# Altium PCB F405.PcbDoc (part 2 of 2) (continued)
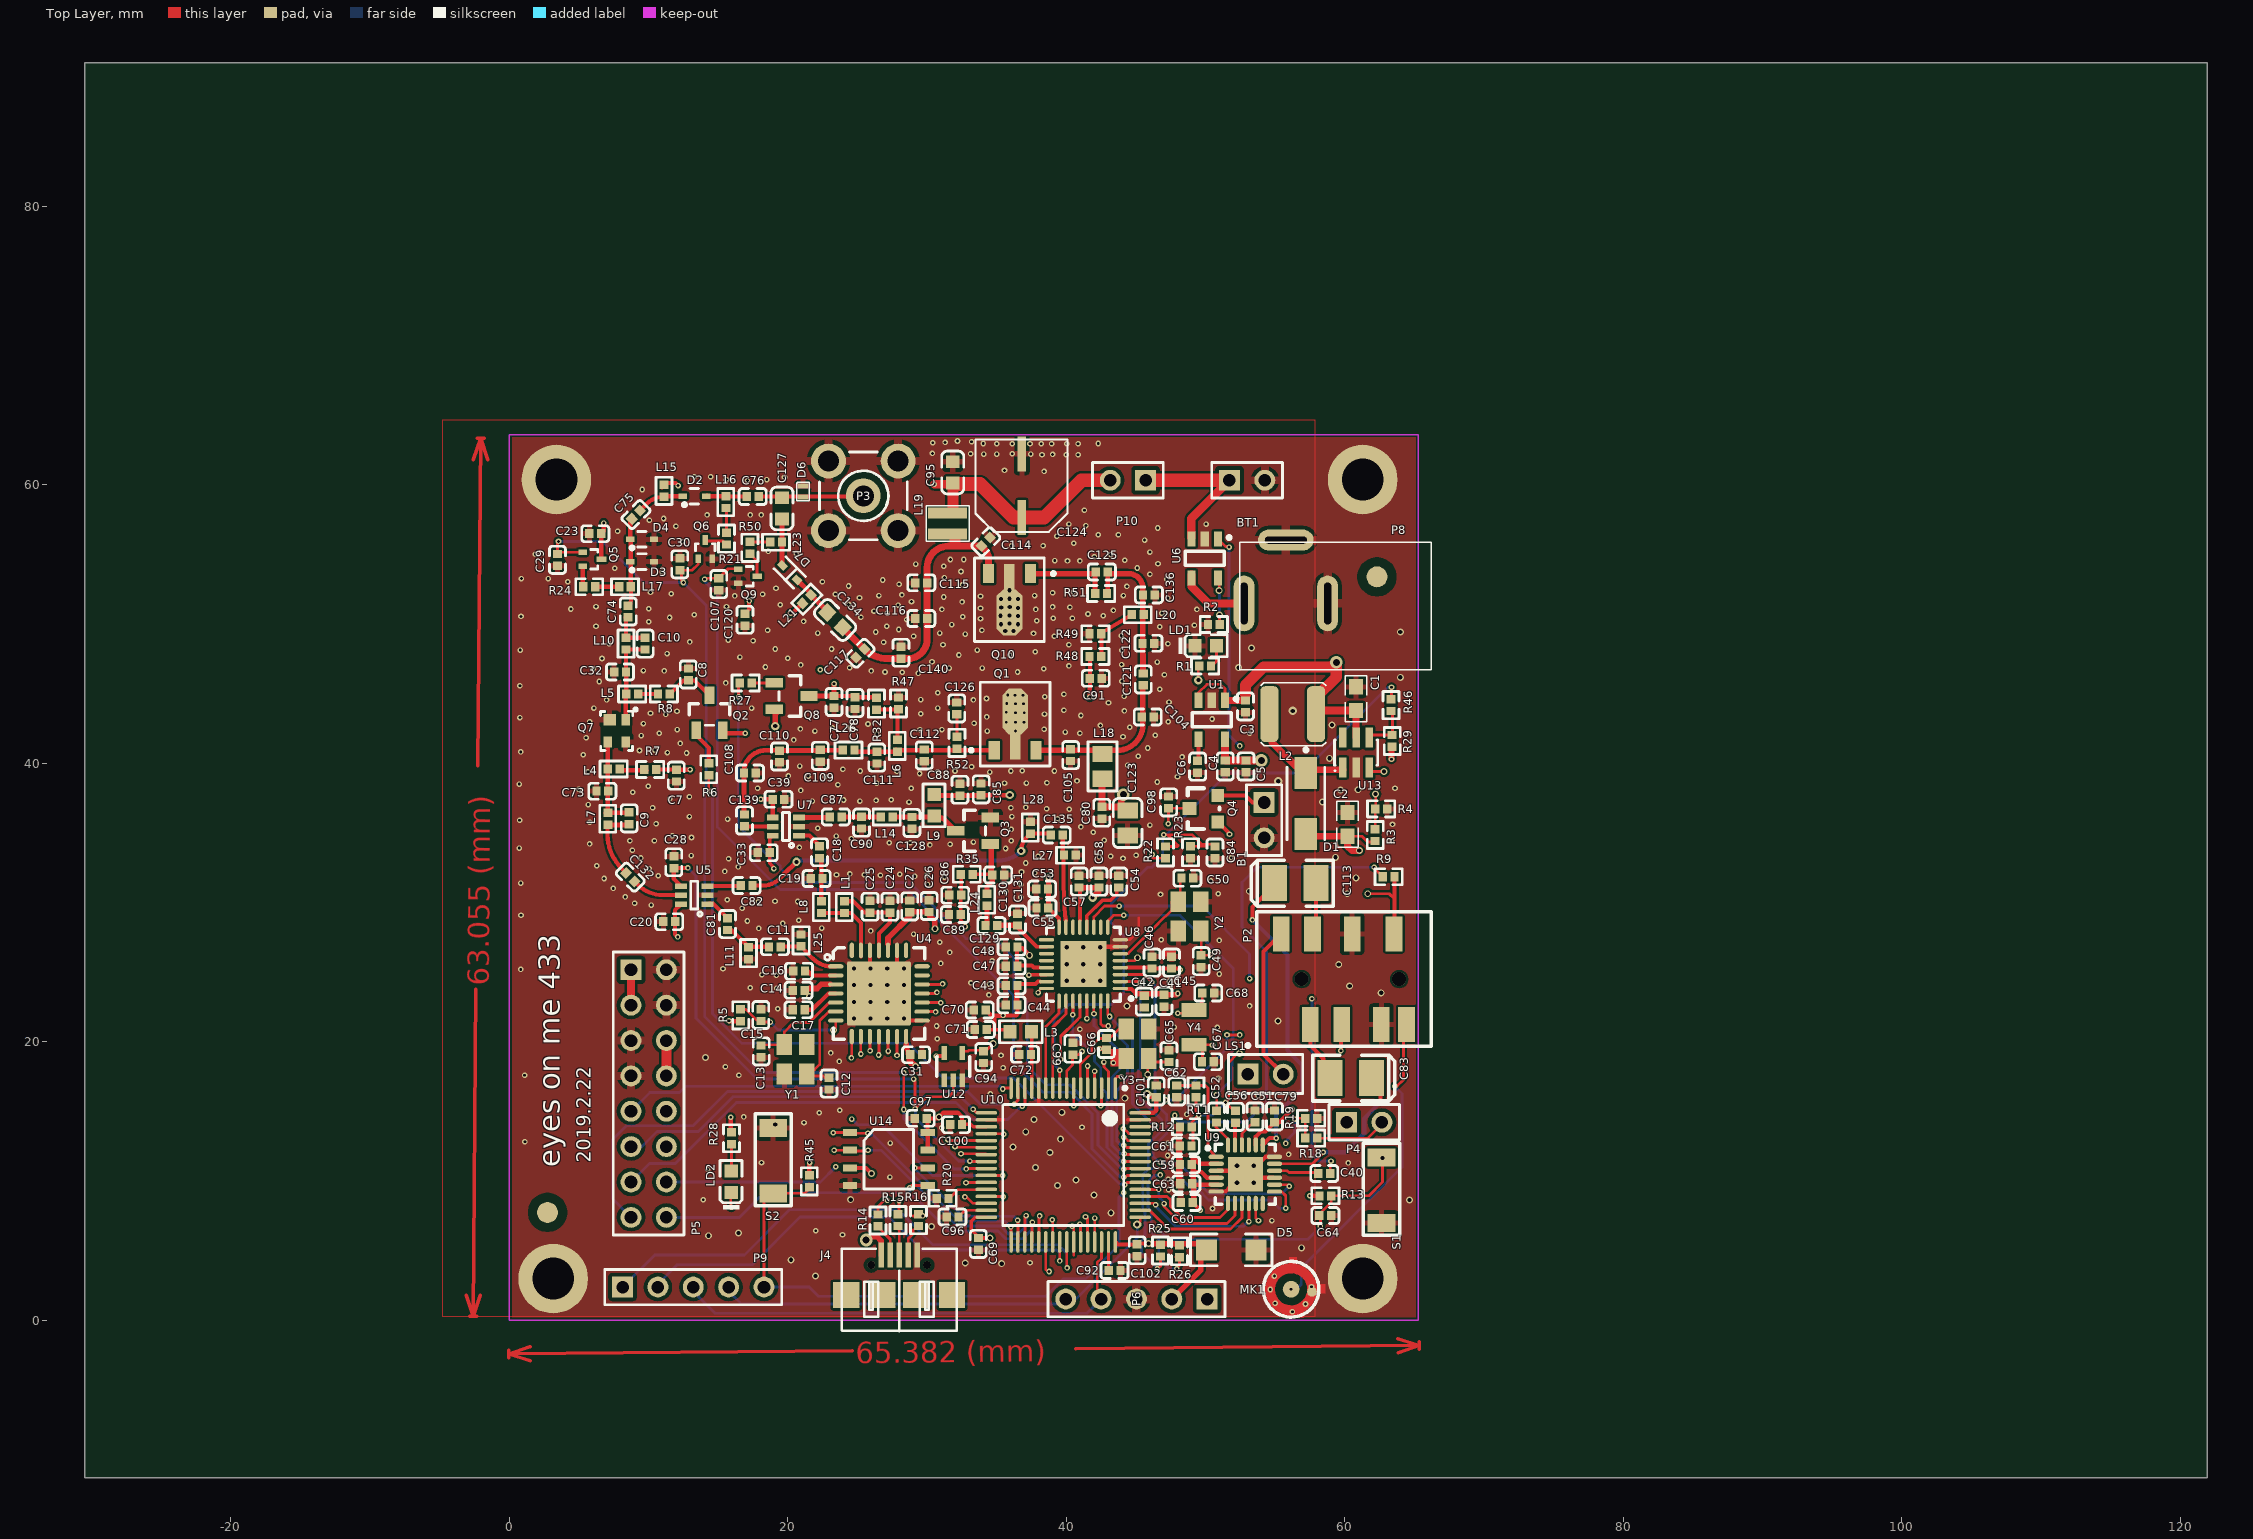
[diagram p0: Top Layer view]
## Nets (pads, with @x,y where several pads share a name; then routed paths per layer and width w, separated by ;. In a path a pad name is that pad's centre, name@x,y a point inside that pad or via, vN(x,y) a via of type N, cw(c..) or ccw(c..) an arc to the next point about the centre after c; other vN are vias at no path point) (continued)
  MidLayer2 w0.3: v1(23.324,45.713) 23.574,45.713 26.256,43.032 26.256,42.782 26.424,42.613 26.598,42.613 26.891,42.32 26.891,42.147 28.346,40.691 37.516,40.691 41.58,44.755 v1(41.681,44.755)
NetC81_2: C81.2 U5.1 | length 1.8
  Top Layer w0.3: U5.1@14.351,29.932 14.62,29.932 C81.2@15.672,28.88
NetC82_1: C82.1 C135.1 L28.2 | length 23.1
  Top Layer w0.3: C82.1@17.462,31.217 18.192,31.217 ccw(c18.192,32.981) 19.439,31.733 ; 19.44,31.733 19.723,32.017 ; v3(36.754,33.706) cw(c38.164,33.706) 37.167,34.703 L28.2@37.414,34.95 38.642,34.95 cw(c38.642,34.604) C135.1@38.887,34.849
  Top Layer w0.34: 19.723,32.017 v3(20.625,32.918)
  Bottom Layer w0.3: v3(20.625,32.918) 20.726,33.02 35.154,33.02 ccw(c35.154,35.228) 36.715,33.667 v3(36.754,33.706)
NetC82_2: C82.2 U5.3 | length 2.4
  Top Layer w0.3: U5.3@14.234,31.181 C82.2@16.612,31.181
NetC83_1: C83.1 U9.17 | length 11.2
  Top Layer w0.2: U9.17@54.832,11.24 U9.17@54.952,11.24 57.671,11.24 58.445,12.014 v1(58.445,12.065)
  Top Layer w0.3: C83.1@62.535,16.612 62.56,16.586 v1(62.56,15.723)
  Bottom Layer w0.3: v1(58.445,12.065) 60.046,12.065 61.392,13.411 61.392,14.503 62.56,15.672 v1(62.56,15.723)
NetC86_2: C86.2 C89.2 R35.1 U8.22 | length 12.6
  Top Layer w0.25: R35.1@32.424,32.029 32.448,32.006 C86.2@32.448,30.531 32.422,30.505 C89.2@32.422,29.134 32.422,28.741 32.741,28.423 v1(32.741,28.27) ; v1@37.25,24.828 U8.22@38.574,24.828
  MidLayer2 w0.25: v1@32.791,28.27 v1(32.741,28.27) 32.741,26.187 34.138,24.79 v1(37.313,24.79)
  Bottom Layer w0.25: v1(32.741,28.27) v1@32.791,28.27
NetC87_1: C87.1 U7.3 | length 2.3
  Top Layer w0.34: U7.3@20.813,36.108 C87.1@23.041,36.108
  Top Layer w0.35: C87.1@23.041,36.108 C87.1@23.077,36.144
NetC87_2: C87.2 C90.2 L14.2 | length 2.7
  Top Layer w0.34: C87.2@23.927,36.144 L14.2@26.677,36.144
NetC92_2: C92.2 U10.47 | length 2.2
  Top Layer w0.2: U10.47@43.026,5.626 43.026,3.565 C92.2@43.112,3.48
NetC96_2: C96.2 U10.31 | length 2.2
  Top Layer w0.2: C96.2@32.251,7.417 32.735,7.901 U10.31@34.251,7.901
NetC104_2: C104.2 C105.2 C121.1 L18.1 Q1.3 | length 12
  Top Layer w0.4: Q1.3@37.771,40.938 Q1.3@37.822,40.938 L18.1@42.324,40.938 ; L18.1@42.596,40.666 L18.1@42.324,40.938 ; C121.1@45.491,45.6 45.491,42.765 cw(c43.665,42.765) 43.665,40.938 L18.1@42.324,40.938
  Top Layer w0.5: Q1.3@37.771,40.938 cw(c37.803,40.938) Q1.3@37.803,40.97
NetC108_2: C108.2 C109.2 C110.2 C139.1 L26.1 | length 11
  Top Layer w0.3: C139.1@16.854,36.359 C139.1@16.891,36.322 ; C109.2@22.316,40.913 ccw(c22.316,40.999) C109.2@22.377,40.938 ; L26.1@23.856,40.938 ccw(c23.856,41.048) L26.1@23.934,40.97
  Top Layer w0.34: C108.2@16.84,39.345 cw(c18.434,39.345) 18.434,40.938 19.343,40.938 cw(c19.343,40.85) C110.2@19.406,40.913 C109.2@22.316,40.913 ; C139.1@16.854,36.359 C108.2@16.854,39.294 ; C109.2@22.377,40.938 L26.1@23.856,40.938
NetC111_2: C111.2 C112.2 L6.1 L26.2 Q1.1 R52.2 | length 10.3
  Top Layer w0.34: L26.2@24.784,40.945 ccw(c25.045,41.206) 25.045,40.836 C111.2@26.391,40.836 26.396,40.831 L6.1@27.864,40.831 ; L6.1@27.757,40.938 Q1.1@34.771,40.938
  Top Layer w0.37: L6.1@27.757,40.938 L6.1@27.864,40.831
NetC113_1: C113.1 U9.19 | length 22.4
  Top Layer w0.3: v1(53.365,28.753) 53.365,29.677 54.939,31.25 C113.1@54.939,31.394 ; U9.19@54.107,12.585 54.603,13.081 v1(55.067,13.081)
  Bottom Layer w0.3: v1(53.365,28.753) 55.871,26.247 55.871,19.389 56.921,18.339 56.921,16.586 55.067,14.732 v1(55.067,13.081)
NetC114_2: C114.2 C115.2 C116.2 C117.2 C134.1 C140.2 L19.1 Q10.3 | length 20.3
  Top Layer w0.5: C134.1@23.947,49.706 25.386,48.267 ccw(c27.182,50.063) 27.182,47.523 28.639,47.523 ccw(c28.639,48.882) 29.997,48.882 29.997,54.049 cw(c31.549,54.049) 31.549,55.601 33.503,55.601 cw(c33.503,54.689) 34.414,54.689 Q10.3@34.414,53.619 ; L19.1@31.521,56.533 L19.1@31.648,56.406
  Top Layer w0.8: 32.004,55.75 L19.1@32.004,56.21
NetC121_2: C121.2 C122.2 C125.2 C136.2 L20.1 R51.2 | length 11.7
  Top Layer w0.2: R51.2@42.919,52.197 R51.2@42.97,52.248
  Top Layer w0.35: R51.2@42.97,52.248 C125.2@42.97,53.746
  Top Layer w0.4: C125.2@42.97,53.746 ccw(c43.097,53.746) 43.097,53.619 44.457,53.619 cw(c44.457,52.585) 45.491,52.585 45.491,47.059 cw(c45.466,47.059) 45.466,47.034 ; 45.505,47.803 45.505,46.468 C121.2@45.523,46.45
NetC125_1: C125.1 Q10.1 R51.1 | length 6.3
  Top Layer w0.2: C125.1@42.062,53.804 C125.1@42.12,53.746
  Top Layer w0.35: R51.1@42.069,52.197 C125.1@42.069,53.696
  Top Layer w0.4: Q10.1@37.414,53.619 41.993,53.619 42.069,53.696 C125.1@42.12,53.746
NetC126_2: C126.2 R52.1 | length 1.6
  Top Layer w0.2: C126.2@32.131,43.517 32.156,43.492 R52.1@32.156,41.896
NetC127_1: C127.1 D7.1 L23.2 | length 2.8
  Top Layer w0.35: D7.1@19.558,54.299 19.577,54.317 L23.2@19.577,55.88 C127.1@19.577,57.135
NetC128_2: C128.2 L9.1 L14.1 Q3.3 | length 4.9
  Top Layer w0.35: L14.1@27.527,36.144 C128.2@28.905,36.144 30.341,36.144 ccw(c30.341,36.377) L9.1@30.505,36.212 cw(c30.505,35.041) 31.334,35.869 Q3.3@32.049,35.154
NetC129_1: C129.1 L24.1 | length 1.5
  Top Layer w0.2: C129.1@34.195,28.346 C129.1@34.29,28.441
  Top Layer w0.37: C129.1@34.29,28.441 L24.1@34.29,29.776
NetC129_2: C129.2 C131.2 U8.18 | length 4.2
  Top Layer w0.2: C129.2@35.045,28.346 C129.2@35.071,28.372 ; C131.2@36.322,28.372 C131.2@36.42,28.274
  Top Layer w0.254: 37.846,26.848 37.866,26.828 U8.18@38.574,26.828
  Top Layer w0.3: C131.2@36.5,28.353 36.5,28.194 37.846,26.848
  Top Layer w0.37: C129.2@35.071,28.372 C131.2@36.322,28.372
NetC130_2: C130.2 L24.2 Q3.1 R35.2 | length 5.1
  Top Layer w0.25: R35.2@33.274,32.029 C130.2@34.627,32.029 ; C130.2@34.61,32.046 C130.2@34.627,32.029 ; C130.2@34.678,31.979 C130.2@34.627,32.029
  Top Layer w0.37: L24.2@34.29,30.626 34.29,31.14 34.678,31.528 C130.2@34.678,31.979 ; Q3.1@34.549,34.204 cw(c34.403,34.057) 34.61,34.057 C130.2@34.61,32.046
NetC132_1: C132.1 U5.5 | length 3.6
  Top Layer w0.3: C132.1@8.987,31.526 9.238,31.275 ccw(c11.034,33.071) 11.034,30.531 U5.5@12.334,30.531
NetC134_2: C134.2 D7.2 L21.2 | length 3.3
  Top Layer w0.35: D7.2@20.658,53.179 21.602,52.236 cw(c21.457,52.091) L21.2@21.662,52.091 C134.2@22.742,51.011 ; C134.2@22.743,51.01 cw(c22.508,50.776) C134.2@22.84,50.776
NetC135_2: C135.2 L27.2 U8.15 | length 6.2
  Top Layer w0.3: C135.2@39.737,34.849 39.737,33.634 ccw(c40.067,33.634) L27.2@39.834,33.401 ccw(c39.912,33.323) 39.802,33.323 39.802,31.267 39.861,29.638 39.903,29.185 U8.15@39.96,28.728
NetC139_2: C139.2 U7.5 | length 2
  Top Layer w0.3: C139.2@17.12,35.458 U7.5@18.913,35.458
  Top Layer w0.4: C139.2@16.815,35.458 C139.2@17.069,35.458
NetD1_1: D1.1 L2.2 U13.1 | length 8
  Top Layer w0.5: L2.2@54.585,41.859 L2.2@54.585,43.536 ; 54.775,41.491 56.728,39.538 D1.1@57.201,39.538 ; D1.1@56.804,39.64 57.099,39.64 D1.1@57.201,39.538 ; U13.1@59.868,39.538 D1.1@57.201,39.538
NetJ4_2: J4.2 R14.2 | length 2.4
  Top Layer w0.2: R14.2@26.467,6.745 26.467,6.706 27.356,5.817 J4.2@27.356,4.683
NetJ4_3: J4.3 R15.2 | length 1.8
  Top Layer w0.2: R15.2@27.991,6.485 28.003,6.472 J4.3@28.003,4.683
NetJ4_4: J4.4 R16.2 | length 1.9
  Top Layer w0.2: J4.4@28.651,4.683 28.651,5.893 29.007,6.248 29.007,6.485
NetL1_2: L1.2 L8.1 U4.27 | length 5.5
  Top Layer w0.3: L8.1@22.403,29.249 L1.2@24.054,29.249 24.523,29.249 25.243,28.529 U4.27@25.243,26.57 U4.27@25.243,26.14
NetL4_2: L4.2 R7.1 | length 1.9
  Top Layer w0.35: L4.2@8.026,39.497 R7.1@9.837,39.497
  Top Layer w0.4: L4.2@7.95,39.573 L4.2@8.026,39.497
NetL5_2: L5.2 R8.1 | length 1.4
  Top Layer w0.3: L5.2@9.246,44.983 R8.1@10.675,44.983
NetL16_1: L16.1 R21.1 | length 1.6
  Top Layer w0.2: R21.1@15.596,56.559 15.596,58.122 L16.1@15.621,58.147
NetL17_1: L17.1 R24.1 | length 1.7
  Top Layer w0.3: R24.1@6.165,52.68 L17.1@7.881,52.68
NetL23_1: L23.1 R50.1 | length 1.5
  Top Layer w0.2: R50.1@17.272,55.899 18.708,55.899 L23.1@18.727,55.88
NetLD1_1: LD1.A R1.1 | length 1.6
  Top Layer w0.2: R1.1@50.462,46.99 50.786,47.315 LD1.A@50.786,48.463
NetLD2_1: LD2.A R28.1 | length 1.7
  Top Layer w0.2: LD2.A@15.9,10.922 15.951,10.973 R28.1@15.951,12.649
NetP4_2: P4.2 R18.1 | length 5
  Top Layer w0.2: 58.31,13.081 61.671,13.081 P4.2@62.865,14.275
NetQ2_1: Q2.1 R6.1 | length 2.8
  Top Layer w0.3: Q2.1@13.426,42.387 13.426,41.996 14.326,41.097 R6.1@14.326,39.998
NetQ5_2: Q5.2 R24.2 | length 1.5
  Top Layer w0.2: R24.2@5.269,52.726 R24.2@5.315,52.68
  Top Layer w0.3: R24.2@5.269,52.726 Q5.2@5.269,54.161
NetQ6_3: Q6.3 R21.2 | length 1.5
  Top Layer w0.2: Q6.3@14.199,55.956 15.348,55.956 R21.2@15.596,55.709
NetQ8_1: Q8.1 R27.1 | length 1.6
  Top Layer w0.2: R27.1@17.399,45.771 19.009,45.771 Q8.1@19.019,45.781
NetQ9_3: Q9.3 R50.2 | length 1.9
  Top Layer w0.2: R50.2@17.272,55.049 17.795,54.526 Q9.3@17.795,53.442 ; R50.2@17.297,55.24 R50.2@17.38,55.157
NetR2_1: R2.1 U6.5 | length 3.1
  Top Layer w0.2: U6.5@50.886,53.312 50.978,53.22 v2(50.978,52.4) ; v2(51.003,50.648) 51.003,49.98 R2.1@51.022,49.962
  Bottom Layer w0.2: v2(51.003,50.648) 51.003,52.121
NetR3_1: R3.1 R4.2 U13.3 | length 5.5
  Top Layer w0.2: U13.3@61.758,39.692 62.029,39.421 v2(62.814,39.421) ; R3.1@62.179,35.349 62.179,36.543 62.213,36.576 62.213,37.787 v2(62.205,37.795)
  MidLayer2 w0.2: v2(62.205,37.795) 62.814,38.405 v2(62.814,39.421)
NRST: C64.2 R13.1 S1.2 U10.7 | length 34.1
  Top Layer w0.2: v1(40.526,15.404) U10.7@40.526,16.676 ; v1(58.242,6.756) 58.242,7.398 58.268,7.424 C64.2@58.173,7.518 58.173,7.647 59.03,8.504 R13.1@59.03,8.941 61.722,8.941 62.713,9.931 v3(62.713,11.659) 62.663,11.659 S1.2@62.636,11.685
  MidLayer2 w0.2: v1(40.526,15.404) 40.526,12.001 44.526,8.001 45.161,8.001 v1(46.584,6.579) 46.66,6.579 46.609,6.528 v1@46.571,6.566
  Bottom Layer w0.2: v1(46.584,6.579) 47.346,5.817 57.353,5.817 58.268,6.731 v1(58.242,6.756)
OSC32_IN: C67.2 U10.3 Y4.1 | length 13.5
  Top Layer w0.2: v1(42.469,15.418) 42.526,15.475 U10.3@42.526,16.676 ; Y4.1@49.174,19.787 50.47,19.787 v1(50.495,19.761) ; C67.2@49.784,18.669 Y4.1@49.784,19.736
  MidLayer1 w0.2: v1(42.469,15.418) 43.993,16.942 47.676,16.942 v1(50.495,19.761)
OSC32_OUT: C68.2 U10.4 Y4.2 | length 11.7
  Top Layer w0.2: v1@42.016,17.882 v1(42.026,17.892) U10.4@42.026,16.676 ; v1(48.006,22.047) 48.935,22.047 Y4.2@49.174,22.287 49.765,22.878 C68.2@49.765,23.495
  MidLayer1 w0.2: v1(42.026,17.892) 43.47,17.892 47.625,22.047 v1(48.006,22.047)
OSC_IN: C65.2 U10.5 Y3.3 | length 9.2
  Top Layer w0.2: U10.5@41.526,16.676 41.526,18.265 v1(41.529,18.263) ; v2@45.847,17.805 Y3.3@45.847,18.495 ; Y3.3@45.91,18.813 46.174,18.549 C65.2@47.371,18.549
  MidLayer2 w0.2: v1(41.529,18.263) 41.529,18.339 42.24,19.05 44.552,19.05 45.872,17.729 45.847,17.704 v2(45.847,17.653)
OSC_OUT: C66.2 U10.6 Y3.1 | length 6.4
  Top Layer w0.2: U10.6@41.026,16.676 41.003,16.699 41.003,18.397 41.834,19.228 41.834,19.736 42.334,20.236 43.096,20.236 43.773,20.913 Y3.1@44.285,20.913
PA10-ID: R16.1 U10.43 | length 13.9
  Top Layer w0.2: 29.007,7.485 R16.1@29.693,7.485 ; v1(40.97,6.909) 41.026,6.853 U10.43@41.026,5.626
  MidLayer2 w0.2: v1(29.693,7.493) 36.097,7.493 36.623,8.018 39.861,8.018 v1(40.97,6.909)
PA11/USB_DM: R14.1 U10.44 | length 18.3
  Top Layer w0.2: R14.1@26.467,7.595 26.467,8.179 26.899,8.611 v1(27.153,8.611) ; v1@41.47,7.349 41.526,7.292 U10.44@41.526,5.626
  MidLayer2 w0.2: v1(27.153,8.611) 27.153,8.534 27.686,8.001 35.941,8.001 36.308,8.368 40.527,8.368 41.377,7.518 v1(41.377,7.442)
PA12/USB_DP: R15.1 U10.45 | length 17.8
  Top Layer w0.2: R15.1@27.991,7.485 v1(27.991,8.585) ; U10.45@42.026,5.626 42.037,5.636 v1(42.037,7.341)
  MidLayer2 w0.2: v1(27.991,8.585) 28.225,8.351 35.796,8.351 36.163,8.718 40.837,8.718 42.037,7.518 v1(42.037,7.341)
PA_EN: R27.2 U10.56 | length 54.8
  Top Layer w0.2: v1(16.459,44.78) 16.459,45.681 R27.2@16.549,45.771 ; v1(44.12,10.846) 44.175,10.901 U10.56@45.301,10.901
  Bottom Layer w0.2: v1(16.459,44.78) 16.441,44.762 16.441,35.502 19.057,32.886 19.186,32.886 19.449,32.622 19.449,32.494 20.498,31.445 28.753,31.445 32.791,27.407 34.849,27.407 36.246,26.01 36.246,23.798 37.186,22.859 37.186,18.263 38.532,16.916 40.246,16.916 42.266,14.897 42.266,12.575 43.995,10.846 v1(44.12,10.846)
PA_TRANS_EN: C107.1 Q9.1 U10.55 | length 66.1
  Top Layer w0.2: v1(14.021,53.213) 14.097,53.289 C107.1@15.037,53.289 15.723,53.975 16.411,53.975 Q9.1@16.445,53.942 ; v1(44.11,10.278) 44.251,10.278 44.374,10.401 U10.55@45.301,10.401
  Bottom Layer w0.2: v1(14.021,53.213) 14.072,53.213 14.072,53.035 14.935,52.172 14.935,35.433 19.431,30.937 28.591,30.937 36.195,23.333 36.195,18.491 38.303,16.383 40.284,16.383 41.834,14.834 41.834,12.319 43.875,10.278 v1(44.11,10.278)
RF_SWITCH: C28.2 C39.2 U5.4 U7.4 U10.24 U12.2 | length 54
  Top Layer w0.2: C28.2@11.811,32.468 C28.2@11.83,32.487 ; v1(29.032,17.323) 29.007,17.323 28.981,17.297 29.134,17.145 v1(29.134,15.189) 29.997,16.053 31.547,16.053 31.877,16.383 U12.2@31.877,17.237 ; v1(33.071,11.43) 33.1,11.401 U10.24@34.251,11.401
  Top Layer w0.3: C28.2@11.811,32.468 11.811,31.704 U5.4@12.334,31.181 ; C28.2@11.83,32.487 v1(12.827,32.487) ; U7.4@18.913,36.108 C39.2@18.913,37.27
  Top Layer w0.35: v1(18.059,37.414) C39.2@18.904,37.414
  MidLayer2 w0.2: v1(12.827,32.487) 13.767,32.487 18.059,36.779 v1(18.059,37.414)
  MidLayer2 w0.35: v1@18.054,37.414 v1(18.059,37.414)
  Bottom Layer w0.2: v1(12.827,32.487) 13.411,31.902 13.411,21.692 17.78,17.323 v1(29.032,17.323) ; v1(29.134,15.189) 29.159,15.164 29.159,14.529 32.258,11.43 v1(33.071,11.43)
SPKOUTN: C113.2 P2.3 | length 4.4
  Top Layer w0.2: P2.3@57.673,27.091 P2.3@57.673,27.749
  Top Layer w0.3: P2.3@57.673,27.749 57.939,28.015 C113.2@57.939,31.394
SPKOUTP: C83.2 P2.2 | length 5.2
  Top Layer w0.2: C83.2@58.889,17.362 C83.2@59.411,16.84
  Top Layer w0.3: P2.2@57.523,21.248 57.523,19.727 58.445,18.804 58.445,17.88 C83.2@58.927,17.399
TP4054_C\H\R\G\: U6.1 U10.61 | length 49.7
  Top Layer w0.2: v1(44.094,13.767) 44.094,13.716 44.044,13.665 44.102,13.607 44.306,13.607 44.513,13.401 U10.61@45.301,13.401 ; U6.1@50.886,56.112 51.423,55.575 51.638,55.575 v1(51.689,55.524) ; v1(51.537,20.498) v1(52.451,20.498)
  MidLayer1 w0.2: v1(52.451,20.498) v1(52.451,41.25)
  MidLayer2 w0.2: v1(44.094,13.767) v1@44.088,13.767 ; v1(47.142,15.824) 46.145,15.824 v1@44.088,13.767 ; v1@44.088,13.767 44.062,13.741 44.044,13.76 44.05,13.767 v1@44.088,13.767
  Bottom Layer w0.2: v1(47.142,15.824) 47.828,15.824 51.537,19.533 v1(51.537,20.498) ; v1(51.689,55.524) 51.689,42.012 v1(52.451,41.25)
USART2_RX: P5.6 U10.17 | length 27.5
  Top Layer w0.2: v1(33.299,15.164) 33.563,14.901 U10.17@34.251,14.901
  Bottom Layer w0.2: P5.6@8.738,12.471 9.525,12.471 10.617,13.564 13.565,13.564 16.055,16.053 32.41,16.053 v1(33.299,15.164)
USART2_TX: P5.5 U10.16 | length 28.1
  Top Layer w0.2: v1(35.433,16.612) 35.497,16.676 U10.16@36.026,16.676
  Bottom Layer w0.2: P5.5@8.738,15.011 10.088,16.361 12.221,16.361 12.675,16.815 35.23,16.815 v1(35.433,16.612)
USART4_RX: P5.8 U10.15 | length 38.1
  Top Layer w0.2: v1(36.246,15.519) 36.526,15.8 U10.15@36.526,16.676
  Bottom Layer w0.2: P5.8@8.738,7.391 7.391,8.738 7.391,12.954 8.407,13.97 13.199,13.97 15.662,16.434 32.918,16.434 33.833,15.519 v1(36.246,15.519)
USART4_TX: P5.7 U10.14 | length 32.7
  Top Layer w0.2: v1(36.83,15.367) 37.026,15.563 U10.14@37.026,16.676
  Bottom Layer w0.2: P5.7@8.738,9.931 10.058,11.252 11.913,11.252 16.3,15.639 32.062,15.639 33.274,14.427 35.79,14.427 36.73,15.367 v1(36.83,15.367)
VBAT: C1.2 C3.2 C23.2 C80.2 C85.2 C88.2 C95.1 C120.2 C123.2 C124.1 L2.1 L9.2 L15.1 L18.2 L19.2 L21.1 P10.2 Q5.3 R22.2 U1.1 U1.3 U13.5 | length 157.8
  Top Layer w0.2: Q5.3@6.597,54.682 Q5.3@6.619,54.661 ; v1(46.152,33.452) 46.152,33.262 46.235,33.179 R22.2@47.117,33.179 ; U1.3@49.494,44.526 49.494,45.075 50.089,45.669 51.079,45.669 51.394,45.354 U1.1@51.394,44.526
  Top Layer w0.3: Q5.3@6.597,54.682 C23.2@6.597,56.49 6.782,56.674 v1(6.782,57.252) ; L15.1@10.973,59.817 11.278,60.122 11.938,60.122 v1(12.116,59.944) ; C120.2@16.916,50.736 17.221,51.04 v1(17.221,51.664) ; v1(20.193,50.775) 20.345,50.775 L21.1@21.061,51.49
  Top Layer w0.34: L9.2@30.607,37.694 C85.2@33.877,37.694 ; C85.2@33.884,37.7 35.896,37.7 ccw(c35.896,37.764) v3(35.941,37.719)
  Top Layer w0.5: L18.2@42.596,38.886 42.545,38.836 C80.2@42.545,36.874 43.917,36.874 43.942,36.899 43.942,37.44 44.094,37.592 v7(44.094,37.744) ; U1.1@51.394,44.526 51.408,44.513 C3.2@52.857,44.513 ; U13.5@60.808,41.842 C1.2@60.808,43.791
  Top Layer w0.6: v1(30.505,60.046) 31.775,60.046 C95.1@31.844,60.114 ; L2.1@57.936,43.536 58.191,43.791 C1.2@60.808,43.791
  Top Layer w0.8: L19.2@31.852,58.293 C95.1@31.852,60.096 ; 52.857,44.933 52.857,45.618 54.153,46.914 59.055,46.914 v7(59.385,47.244) 59.385,46.203 57.936,44.753 L2.1@57.936,43.536
  Top Layer w1: C95.1@31.912,60.046 33.807,60.046 36.195,57.658 C124.1@36.805,57.658 38.413,57.658 41.08,60.325 P10.2@43.155,60.325
  MidLayer2 w0.2: v7@44.044,37.744 44.044,36.424 46.152,34.315 v1(46.152,33.452)
  MidLayer2 w0.3: 12.116,58.674 v1(12.116,59.944) ; v1(17.221,51.664) 17.247,51.638 17.272,51.664 17.272,54.127 ; 20.066,54.127 20.193,54 v1(20.193,50.775)
  MidLayer2 w0.5: v3(35.941,37.719) cw(c36.002,37.658) 36.002,37.744 v7@44.044,37.744
  MidLayer2 w0.6: v1(6.782,57.252) 6.807,57.252 6.807,57.302 6.858,57.302 8.23,58.674 12.116,58.674 16.662,54.127 17.272,54.127 20.066,54.127 27.965,54.127 30.505,56.667 v1(30.505,60.046)
  MidLayer2 w0.8: 47.676,58.166 48.26,57.582
  MidLayer2 w1: P10.2@43.155,60.325 43.155,59.411 44.399,58.166 47.676,58.166 57.379,58.166 60.604,54.94 60.604,48.463 v7(59.385,47.244) ; v7@44.044,37.744 48.26,41.961 48.26,57.582
VBAT2: C98.1 Q4.3 U10.1 | length 28.5
  Top Layer w0.2: U10.1@43.526,16.676 43.526,17.364 43.663,17.501 v1(43.942,17.501) ; v1(47.32,35.662) 47.32,36.119 47.346,36.144 C98.1@47.346,36.767 48.831,36.767 Q4.3@48.844,36.754
  MidLayer1 w0.2: v1(43.942,17.501) 46.685,20.244 48.793,20.244 52.045,23.495 52.045,30.913 48.68,34.278 48.68,34.302 v1(47.32,35.662)
VDDA: C72.2 L3.2 U10.13 | length 4.1
  Top Layer w0.254: 37.432,19.507 37.526,19.412 U10.13@37.526,16.676 ; 37.508,19.507 L3.2@37.508,20.774
VUSB: J4.1 P6.1 P8.1 U6.4 | length 102
  Top Layer w0.4: v7(25.629,5.766) 25.73,5.766 25.984,6.02 26.391,6.02 26.695,5.715 J4.1@26.695,4.683
  Top Layer w0.6: U6.4@48.986,53.54 U6.4@48.986,53.312 48.986,52.69 50.197,51.48 P8.1@52.765,51.48 P8.1@52.765,52.853
  MidLayer2 w0.4: 38.532,0.762 38.894,0.4 48.99,0.4 P6.1@50.114,1.524 ; 64.668,23.241 64.795,23.368 ; 64.678,25.73 64.795,25.613
  MidLayer2 w0.5: 64.795,23.368 64.799,23.371 64.799,25.609 64.795,25.613
  MidLayer2 w0.6: P6.1@50.114,1.524 50.444,1.524 P6.1@50.825,1.905
  MidLayer2 w0.8: v7(25.629,5.766) 29.439,1.956 37.338,1.956 38.532,0.762 ; P6.1@50.825,1.905 53.137,4.216 58.191,4.216 64.678,10.703 64.678,23.231 64.668,23.241 ; P8.1@52.765,51.48 52.765,50.282 60.198,42.85 62.671,42.85 64.678,40.843 64.678,25.73
  Bottom Layer w0.5: P6.1@50.114,1.524 P6.1@50.114,1.93
W25Q64_MISO: P5.14 U10.35 U14.2 | length 31.3
  Top Layer w0.2: v1(23.317,12.217) U14.2@24.46,12.217 ; U14.2@24.536,12.167 25.705,12.167 v1(25.756,12.217) ; U10.35@37.033,5.619 U10.35@37.026,5.626 37.026,7.435 v1@37.067,7.476
  MidLayer1 w0.2: v1@37.067,7.476 v1(37.109,7.518)
  MidLayer2 w0.2: P5.14@11.278,12.471 11.532,12.217 v1(23.317,12.217)
  Bottom Layer w0.2: v1(25.756,12.217) 26.697,12.217 32.146,6.768 35.269,6.768 35.831,6.206 36.533,6.206 37.109,6.782 v1(37.109,7.518)
W25Q64_MOSI: P5.16 U10.36 U14.5 | length 32.4
  Top Layer w0.2: v1(28.753,9.525) 28.905,9.677 U14.5@30.048,9.677 ; U10.36@37.526,5.626 37.526,6.996 v1(37.567,7.036)
  Bottom Layer w0.2: P5.16@11.278,7.391 16.51,7.391 18.28,9.161 28.389,9.161 v1(28.753,9.525) 28.753,9.22 31.555,6.418 35.085,6.418 35.648,5.856 36.844,5.856 37.567,6.579 v1(37.567,7.036)
W25Q64_NSS: P5.13 U10.33 U14.1 | length 29.2
  Top Layer w0.2: v1@23.292,13.487 U14.1@24.46,13.487 ; U14.1@24.536,13.437 v1(25.756,13.437) ; v1(36.017,6.706) 36.017,5.635 U10.33@36.026,5.626
  MidLayer1 w0.2: v1(23.266,13.462) v1@23.292,13.487
  MidLayer2 w0.2: P5.13@11.278,15.011 12.827,13.462 v1(23.266,13.462)
  Bottom Layer w0.2: v1(25.756,13.437) 25.875,13.317 26.102,13.317 32.301,7.118 35.605,7.118 v1(36.017,6.706)
W25Q64_SCK: P5.15 U10.34 U14.6 | length 29.8
  Top Layer w0.2: v1@29.134,10.973 v1(29.108,10.947) U14.6@30.048,10.947 ; v1(36.5,7.188) 36.526,7.162 U10.34@36.526,5.626
  MidLayer1 w0.2: v1@23.52,11.041 29.091,11.041 29.108,11.024 v1(29.108,10.947)
  Bottom Layer w0.2: P5.15@11.278,9.931 22.352,9.931 v1(23.444,11.024) ; v1(29.108,10.947) 29.134,10.922 29.108,10.897 32.537,7.468 36.22,7.468 v1(36.5,7.188)
pads on no net: J4.0 U4.20 U4.21 U4.22 U4.28 U8.10 U8.14 U8.17 U8.19 U8.20 U9.12 U9.21 U12.1 U13.6 Y1.2
copper on no net: | length 111.2
  Top Layer w0.254: -3.097,1.805 -2.602,0.277 ; -2.856,0.279 -2.348,0.275 ; -2.579,61.81 -2.058,63.33 ; -2.399,23.78 -2.602,0.277 ; -2.312,63.332 -1.804,63.328 ; -2.261,39.827 -2.058,63.33 ; -2.081,1.797 -2.602,0.277 ; -1.563,61.802 -2.058,63.33 ; -0.039,-2.163 -0.034,-2.671 ; 1.482,-1.895 -0.037,-2.417 ; 1.492,-2.911 -0.037,-2.417 ; 24.629,-2.187 -0.037,-2.417 ; 40.677,-2.037 65.343,-1.807 ; 63.814,-1.314 65.343,-1.807 ; 63.824,-2.33 65.343,-1.807 ; 65.341,-1.553 65.345,-2.061
  other v1: 22.327,46.711
  other v8: 56.899,24.498 63.899,24.498

## Polygon pours and split planes (outlines as drawn)
GND on Top Layer "MidLayer2-No Net" (solid, pour order 13): 0,63.602 0,0 64.897,0 65.278,0.381 65.278,63.602 0.254,63.602 0.178,63.678
GND on Top Layer "GND_L01_P009" (solid, remove dead copper, shelved, pour order 9): -4.801,64.638 -4.801,0.275 57.669,0.275 57.872,0.275 57.872,0.478 57.872,64.638
GND on MidLayer1 "NONET_L02_P006" (solid, remove dead copper, shelved, pour order 6): -5.029,64.364 -5.029,0 65.278,0 65.278,64.364
GND on MidLayer1 "MidLayer2-No Net" (solid, pour order 15): 0,63.602 -0.178,63.424 -0.178,-0.102 65.176,-0.102 65.278,0 65.278,63.602
GND on MidLayer2 "NONET_L03_P007" (solid, remove dead copper, shelved, pour order 7): -4.928,64.338 -4.928,0 65.278,0 65.278,64.338
GND on MidLayer2 "POWER-No Net" (solid, pour order 21): 20.396,35.662 20.676,32.41 22.507,31.623 37.363,31.623 37.363,35.636 37.287,35.56 20.244,35.56
GND on MidLayer2 "POWER-No Net" (solid, pour order 23): 32.233,55.499 32.233,55.27 27.762,50.8 27.762,43.866 27.762,42.596 34.315,42.316 34.417,42.418 37.541,42.418 44.856,49.733 44.856,55.88 32.944,55.88 32.309,55.245
GND on Bottom Layer "NONET_L04_P010" (solid, remove dead copper, shelved, pour order 10): -5.105,64.287 -5.105,0.092 65.584,0.092 65.584,64.287
GND on Bottom Layer "MidLayer2-No Net" (solid, pour order 17): 0,63.602 0,0 65.278,0 65.278,63.602

## Keep-outs
Keep-Out Layer:
  lines w0.1: 0,0 65.278,0 65.278,63.602 0,63.602 0,0

## Other copper
Top Layer:
  rectangle net GND: 55.474,0.203 57.074,0.635
  rectangle net GND: 57.887,1.93 58.598,2.616
  rectangle net GND: 55.982,3.785 56.566,4.547
  rectangle net GND: 53.848,1.981 54.585,2.489
  rectangle net GND: 47.092,26.141 47.865,26.543
  rectangle net GND: 47.371,25.756 47.777,26.34
  rectangle net GND: 42.24,19.337 43.078,19.66
  rectangle net GND: 43.18,18.237 43.84,19.482
  pour cut-out: 1.343,7.747 ccw(c2.743,7.747) 2.743,6.347 ccw(c2.743,7.747) 4.143,7.747 ccw(c2.743,7.747) 2.743,9.147 ccw(c2.743,7.747)
  pour cut-out: 60.906,53.391 ccw(c62.306,53.391) 62.306,51.991 ccw(c62.306,53.391) 63.706,53.391 ccw(c62.306,53.391) 62.306,54.791 ccw(c62.306,53.391)
  pour cut-out: 32.829,34.62 33.791,34.62 33.939,34.769 33.744,34.964 33.744,35.814 32.855,35.814 32.829,35.839
  pour cut-out: 47.777,29.866 47.777,27.991 50.089,27.991 49.987,28.092 49.987,29.87 47.773,29.87
  pour cut-out: 19.355,19.685 19.355,17.831 21.481,17.831 21.617,17.695 21.692,17.77 21.692,19.761 19.329,19.761
  pour cut-out: 55.643,3.091 55.278,2.727 55.278,2.071 55.179,1.971 55.643,1.507 55.643,1.367 56.671,1.367 57.111,1.807 57.111,2.667 56.587,3.191 55.883,3.191 55.783,3.091
  pour cut-out: 39.345,27.483 43.104,27.483 43.104,23.901 43.205,23.8 43.155,23.749 39.446,23.749 39.446,27.407 39.319,27.534
  pour cut-out: 28.343,24.99 28.397,25.044 28.931,25.42 29.007,25.044 29.007,22.174 29.032,22.149 28.931,22.047 28.931,21.082 28.829,20.701 24.892,20.701 24.892,21.241 24.714,21.419 24.714,25.552 24.841,25.679 25.019,25.629 25.095,25.552 27.813,25.552 27.813,25.52
  pour cut-out: 24.743,24.99 24.054,25.679 24.054,21.438 24.13,21.361 24.743,21.361
  pour cut-out: 51.587,11.913 51.616,11.884 54.336,11.884 54.336,9.383 54.079,9.126 51.584,9.126 51.584,11.793 51.675,11.884
  pour cut-out: 24.53,25.878 24.479,25.89 24.659,25.93 25.371,25.93 25.476,26.035 25.509,26.002 25.509,25.679 24.689,25.679 24.593,25.775 24.578,25.818 24.479,25.89
  pour cut-out: 41.73,39.446 43.307,39.446 43.358,39.395 43.493,39.531 43.493,40.111 41.734,40.111
  pour cut-out: 43.993,20.32 43.917,20.244 43.917,19.228 46.279,19.228 46.304,19.202 46.431,19.329 46.431,20.472 44.018,20.472 43.942,20.396
  pour cut-out: 29.956,58.017 29.956,56.444 32.5,56.444 32.995,55.949 32.995,58.017
  pour cut-out: 6.579,42.57 6.579,41.129 7.855,41.129 8.788,42.062 8.788,42.774 6.833,42.774 6.807,42.799
  pour cut-out: 54.552,10.434 54.552,10.046 55.446,10.046 55.469,10.023 55.469,10.458 54.576,10.458
  pour cut-out: 22.595,50.291 23.229,49.657 23.597,49.657 23.597,49.733 24.193,50.33 23.128,51.395
  pour cut-out: 54.712,3.429 54.712,1.295 55.093,0.914 55.194,1.016 57.429,1.016 57.429,3.48 57.379,3.429
  pour cut-out: 18.924,57.869 18.985,57.809 20.229,57.809 20.229,58.74 20.218,58.75 20.115,58.646 18.924,58.646
  pour cut-out: 37.809,17.326 37.809,16.028 37.807,16.026 37.914,15.918 38.267,15.918 38.267,17.304 38.246,17.326
  pour cut-out: 44.544,14.642 44.544,14.288 44.651,14.181 45.951,14.181 45.951,14.455 45.999,14.503 45.883,14.62 44.651,14.62
  pour cut-out: 33.528,14.529 33.528,14.276 33.435,14.183 33.458,14.16 35.009,14.16 35.009,14.642 33.494,14.642
  pour cut-out: 50.517,9.623 50.546,9.601 51.232,9.271 51.379,8.966 51.584,9.171 51.584,9.623
  pour cut-out: 25.494,27.051 25.494,27.465 25.494,25.756 28.361,25.756 28.361,27.051 26.046,27.051
  pour cut-out: 28.931,21.158 29.693,21.158 30.277,21.742 30.277,21.864 28.931,21.864
  pour cut-out: 31.599,19.687 31.599,18.687 32.155,18.687 32.155,19.687
  text "63.055 (mm)" at -1.483,24.026 h1.52 r89.51
  text "65.382 (mm)" at 24.892,-3.099 h1.52 r0.53

## Silkscreen, mask and mechanical layers (free items; w line width, h text height)
Top Overlay:
  text "2019.2.22" at 5.842,11.328 h1 r90
  text "eyes on me 433" at 3.607,10.998 h1.52 r90
Bottom Overlay:
  text "GND" at 56.82,61.976 h1
  text "+3.7V" at 52.273,61.951 h1
  text "2019.2.22 wenleileilei" at 28.727,53.67 h0.6
  text "+5V" at 53.289,48.285 h1 r90
  text "+5V" at 6.706,25.121 h0.6
  text "GND" at 14.605,24.968 h0.6
  text "GND" at 14.63,22.377 h0.6
  text "+5V" at 6.68,22.352 h0.6
  text "GND" at 6.553,20.041 h0.6
  text "3.3V" at 15.113,19.787 h0.6
  text "SPK" at 51.079,18.669 h0.6 r90
  text "GND" at 6.553,17.247 h0.6
  text "3.3V" at 15.215,17.145 h0.6
  text "NSS" at 14.681,14.834 h0.6
  text "TX2" at 6.756,14.808 h0.6
  text "MISO" at 15.164,12.192 h0.6
  text "RX2" at 6.782,11.989 h0.6
  text "SCK" at 14.656,9.652 h0.6
  text "TX" at 6.655,9.525 h0.6
  text "MOSI" at 15.113,7.112 h0.6
  text "RX" at 6.579,6.909 h0.6
  text "3.3V" at 47.904,6.375 h0.6 r90
  text "GND" at 45.466,6.35 h0.6 r90
  text "5.0V" at 50.597,6.35 h0.6 r90
  text "DIO" at 43.078,6.274 h0.6 r90
  text "CLK" at 40.716,6.172 h0.6 r90
Top Paste:
  pour cut-out: 48.539,29.388 48.539,28.702 48.692,28.55 48.717,28.575 49.352,28.575 49.352,29.235 49.403,29.286 49.962,28.727 50.19,28.727 50.19,29.337 50.165,29.362 47.6,29.362 47.523,29.286 47.523,28.677 49.149,28.677 49.2,28.626
  pour cut-out: 19.331,20.32 19.482,18.44 20.091,18.517 22.022,18.517 21.202,20.32
Bottom Paste:
  rectangle: 29.921,61.493 41.326,63.551
  rectangle: 40.742,53.391 47.981,58.699
  rectangle: 25.73,45.542 47.981,53.569
  rectangle: 31.166,39.065 40.742,58.725
  rectangle: 25.73,39.065 31.166,45.542
Bottom Solder:
  rectangle: 30.226,39.014 40.767,45.847
  rectangle: 31.14,53.365 48.031,58.801
  rectangle: 25.781,45.542 47.676,53.645
  rectangle: 29.972,61.544 41.173,63.525